# KiCad board HALTEST.kicad_pcb (continued)
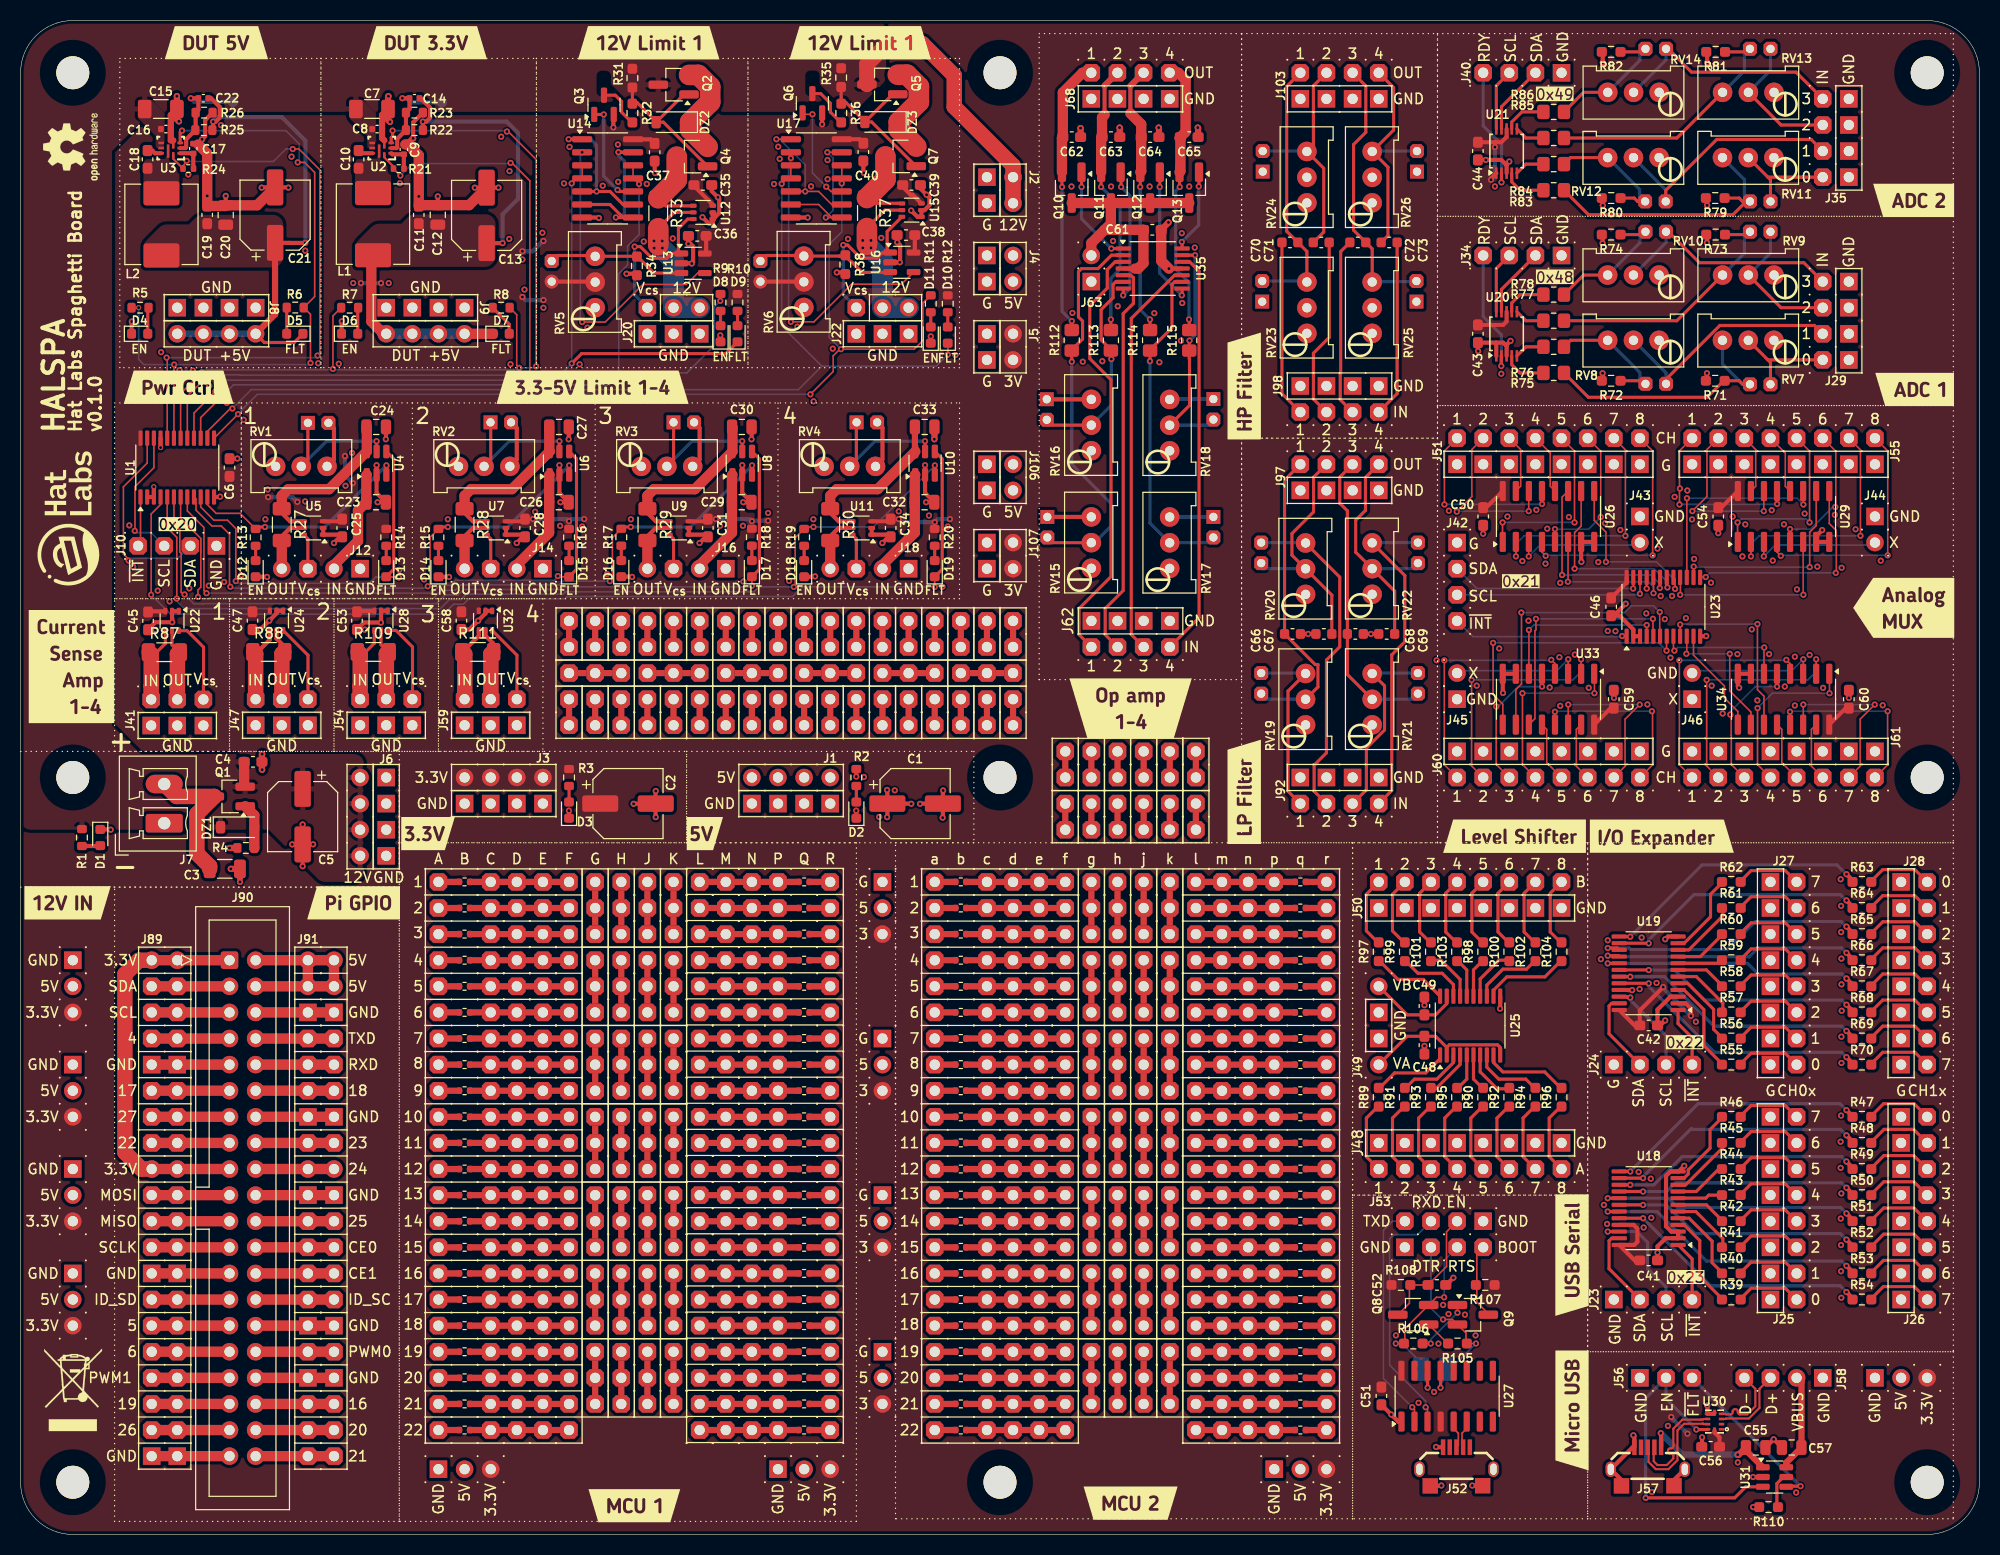
[diagram p0: board, top side]
## Nets (continued)
/Level Shifting/Ac2: J48.4 R91.1
/Level Shifting/Ac3: J48.6 R93.1
/Level Shifting/Ac4: J48.8 R95.1
/Level Shifting/Ac5: J48.10 R90.1
/Level Shifting/Ac6: J48.12 R92.1
/Level Shifting/Ac7: J48.14 R94.1
/Level Shifting/Ac8: J48.16 R96.1
/Level Shifting/B1: R97.1 U25.20
/Level Shifting/B2: R99.1 U25.18
/Level Shifting/B3: R101.1 U25.17
/Level Shifting/B4: R103.1 U25.16
/Level Shifting/B5: R98.1 U25.15
/Level Shifting/B6: R100.1 U25.14
/Level Shifting/B7: R102.1 U25.13
/Level Shifting/B8: R104.1 U25.12
/Level Shifting/Bc1: J50.2 R97.2
/Level Shifting/Bc2: J50.4 R99.2
/Level Shifting/Bc3: J50.6 R101.2
/Level Shifting/Bc4: J50.8 R103.2
/Level Shifting/Bc5: J50.10 R98.2
/Level Shifting/Bc6: J50.12 R100.2
/Level Shifting/Bc7: J50.14 R102.2
/Level Shifting/Bc8: J50.16 R104.2
/Opamp/I1-: J64.2 R112.1 RV15.2 U35.2
/Opamp/I2-: J65.2 R113.1 RV16.2 U35.6
/Opamp/I3-: J66.2 R114.1 RV17.2 U35.9
/Opamp/I4-: J67.2 R115.1 RV18.2 U35.13
/Opamp/IN1: J62.2 U35.3
/Opamp/IN2: J62.4 U35.5
/Opamp/IN3: J62.6 U35.10
/Opamp/IN4: J62.8 U35.12
/Opamp/O1: Q10.1 U35.1
/Opamp/O2: Q11.1 U35.7
/Opamp/O3: Q12.1 U35.8
/Opamp/O4: Q13.1 U35.14
/Opamp/OUT1: C62.2 J68.2 Q10.2 R112.2
/Opamp/OUT2: C63.2 J68.4 Q11.2 R113.2
/Opamp/OUT3: C64.2 J68.6 Q12.2 R114.2
/Opamp/OUT4: C65.2 J68.8 Q13.2 R115.2
/Raspberry Pi GPIO/GPIO0: J89.27 J90.27
/Raspberry Pi GPIO/GPIO1: J90.28 J91.28
/Raspberry Pi GPIO/GPIO2: J89.3 J90.3
/Raspberry Pi GPIO/GPIO3: J89.5 J90.5
/Raspberry Pi GPIO/GPIO4: J89.7 J90.7
/Raspberry Pi GPIO/GPIO5: J89.29 J90.29
/Raspberry Pi GPIO/GPIO6: J89.31 J90.31
/Raspberry Pi GPIO/GPIO7: J90.26 J91.26
/Raspberry Pi GPIO/GPIO8: J90.24 J91.24
/Raspberry Pi GPIO/GPIO9: J89.21 J90.21
/Raspberry Pi GPIO/GPIO10: J89.19 J90.19
/Raspberry Pi GPIO/GPIO11: J89.23 J90.23
/Raspberry Pi GPIO/GPIO12: J90.32 J91.32
/Raspberry Pi GPIO/GPIO13: J89.33 J90.33
/Raspberry Pi GPIO/GPIO14: J90.8 J91.8
/Raspberry Pi GPIO/GPIO15: J90.10 J91.10
/Raspberry Pi GPIO/GPIO16: J90.36 J91.36
/Raspberry Pi GPIO/GPIO17: J89.11 J90.11
/Raspberry Pi GPIO/GPIO18: J90.12 J91.12
/Raspberry Pi GPIO/GPIO19: J89.35 J90.35
/Raspberry Pi GPIO/GPIO20: J90.38 J91.38
/Raspberry Pi GPIO/GPIO21: J90.40 J91.40
/Raspberry Pi GPIO/GPIO22: J89.15 J90.15
/Raspberry Pi GPIO/GPIO23: J90.16 J91.16
/Raspberry Pi GPIO/GPIO24: J90.18 J91.18
/Raspberry Pi GPIO/GPIO25: J90.22 J91.22
/Raspberry Pi GPIO/GPIO26: J89.37 J90.37
/Raspberry Pi GPIO/GPIO27: J89.13 J90.13
/Raspberry Pi GPIO/RPI_3V3: J89.1 J89.17 J90.1 J90.17
/Raspberry Pi GPIO/RPI_5V: J90.2 J90.4 J91.2 J91.4
/USB connector/D+: J57.3 U30.8
/USB connector/D-: J57.2 U30.7
/USB connector/EN: J56.2 U30.9 U31.3
/USB connector/MHL+: J58.3 U30.3
/USB connector/MHL-: J58.4 U30.4
/USB connector/~{FAULT}: J56.3 U31.4
/USB serial interface/BOOT: J53.7 Q9.3 R107.2
/USB serial interface/DTR: JP1.1 U27.13
/USB serial interface/DTRb: Q8.1 R105.2
/USB serial interface/DTRsj: J53.3 JP1.2 Q9.2 R105.1
/USB serial interface/EN: C52.1 J53.6 Q8.3 R108.2
/USB serial interface/RTS: JP2.2 U27.14
/USB serial interface/RTSb: Q9.1 R106.2
/USB serial interface/RTSsj: J53.5 JP2.1 Q8.2 R106.1
/USB serial interface/RXD: J53.4 U27.3
/USB serial interface/TXD: J53.2 U27.2
/USB serial interface/USB_D+: J52.3 U27.5
/USB serial interface/USB_D-: J52.2 U27.6
Net-(D1-A): D1.2 R1.2
Net-(D2-A): D2.2 R2.2
Net-(D3-A): D3.2 R3.2
Net-(D4-A): D4.2 R5.2
Net-(D5-A): D5.2 R6.2
Net-(D6-A): D6.2 R7.2
Net-(D7-A): D7.2 R8.2
Net-(D8-A): D8.2 R9.2
Net-(D9-A): D9.2 R10.2
Net-(D10-A): D10.2 R11.2
Net-(D11-A): D11.2 R12.2
Net-(D12-A): D12.2 R13.2
Net-(D13-A): D13.2 R14.2
Net-(D14-A): D14.2 R15.2
Net-(D15-A): D15.2 R16.2
Net-(D16-A): D16.2 R17.2
Net-(D17-A): D17.2 R18.2
Net-(D18-A): D18.2 R19.2
Net-(D19-A): D19.2 R20.2
Net-(J69-Pin_1): J69.1 R116.1
Net-(J69-Pin_2): J69.2 R117.1
Net-(J69-Pin_3): J69.3 R118.1
Net-(J69-Pin_4): J69.4 R119.1
Net-(J69-Pin_5): J69.5 R120.1
Net-(J69-Pin_6): J69.6 R121.1
Net-(J69-Pin_7): J69.7 R122.1
Net-(J69-Pin_8): J69.8 R123.1
Net-(J69-Pin_9): J69.9 R124.1
Net-(J69-Pin_10): J69.10 R125.1
Net-(J69-Pin_11): J69.11 R126.1
Net-(J69-Pin_12): J69.12 R127.1
Net-(J69-Pin_13): J69.13 R128.1
Net-(J69-Pin_14): J69.14 R129.1
Net-(J69-Pin_15): J69.15 R130.1
Net-(J69-Pin_16): J69.16 R131.1
Net-(J69-Pin_17): J69.17 R132.1
Net-(J69-Pin_18): J69.18 R133.1
Net-(J69-Pin_19): J69.19 R134.1
Net-(J69-Pin_20): J69.20 R135.1
Net-(J69-Pin_21): J69.21 R136.1
Net-(J69-Pin_22): J69.22 R137.1
Net-(J70-Pin_1): J70.1 J71.1 J72.1 J73.1 R116.2
Net-(J70-Pin_2): J70.2 J71.2 J72.2 J73.2 R117.2
Net-(J70-Pin_3): J70.3 J71.3 J72.3 J73.3 R118.2
Net-(J70-Pin_4): J70.4 J71.4 J72.4 J73.4 R119.2
Net-(J70-Pin_5): J70.5 J71.5 J72.5 J73.5 R120.2
Net-(J70-Pin_6): J70.6 J71.6 J72.6 J73.6 R121.2
Net-(J70-Pin_7): J70.7 J71.7 J72.7 J73.7 R122.2
Net-(J70-Pin_8): J70.8 J71.8 J72.8 J73.8 R123.2
Net-(J70-Pin_9): J70.9 J71.9 J72.9 J73.9 R124.2
Net-(J70-Pin_10): J70.10 J71.10 J72.10 J73.10 R125.2
Net-(J70-Pin_11): J70.11 J71.11 J72.11 J73.11 R126.2
Net-(J70-Pin_12): J70.12 J71.12 J72.12 J73.12 R127.2
Net-(J70-Pin_13): J70.13 J71.13 J72.13 J73.13 R128.2
Net-(J70-Pin_14): J70.14 J71.14 J72.14 J73.14 R129.2
Net-(J70-Pin_15): J70.15 J71.15 J72.15 J73.15 R130.2
Net-(J70-Pin_16): J70.16 J71.16 J72.16 J73.16 R131.2
Net-(J70-Pin_17): J70.17 J71.17 J72.17 J73.17 R132.2
Net-(J70-Pin_18): J70.18 J71.18 J72.18 J73.18 R133.2
Net-(J70-Pin_19): J70.19 J71.19 J72.19 J73.19 R134.2
Net-(J70-Pin_20): J70.20 J71.20 J72.20 J73.20 R135.2
Net-(J70-Pin_21): J70.21 J71.21 J72.21 J73.21 R136.2
Net-(J70-Pin_22): J70.22 J71.22 J72.22 J73.22 R137.2
Net-(J74-Pin_1): J74.1 J75.1 J76.1 J77.1 R138.2
Net-(J74-Pin_2): J74.2 J75.2 J76.2 J77.2 R139.2
Net-(J74-Pin_3): J74.3 J75.3 J76.3 J77.3 R140.2
Net-(J74-Pin_4): J74.4 J75.4 J76.4 J77.4 R141.2
Net-(J74-Pin_5): J74.5 J75.5 J76.5 J77.5 R142.2
Net-(J74-Pin_6): J74.6 J75.6 J76.6 J77.6 R143.2
Net-(J74-Pin_7): J74.7 J75.7 J76.7 J77.7 R144.2
Net-(J74-Pin_8): J74.8 J75.8 J76.8 J77.8 R145.2
Net-(J74-Pin_9): J74.9 J75.9 J76.9 J77.9 R146.2
Net-(J74-Pin_10): J74.10 J75.10 J76.10 J77.10 R147.2
Net-(J74-Pin_11): J74.11 J75.11 J76.11 J77.11 R148.2
Net-(J74-Pin_12): J74.12 J75.12 J76.12 J77.12 R149.2
Net-(J74-Pin_13): J74.13 J75.13 J76.13 J77.13 R150.2
Net-(J74-Pin_14): J74.14 J75.14 J76.14 J77.14 R151.2
Net-(J74-Pin_15): J74.15 J75.15 J76.15 J77.15 R152.2
Net-(J74-Pin_16): J74.16 J75.16 J76.16 J77.16 R153.2
Net-(J74-Pin_17): J74.17 J75.17 J76.17 J77.17 R154.2
Net-(J74-Pin_18): J74.18 J75.18 J76.18 J77.18 R155.2
Net-(J74-Pin_19): J74.19 J75.19 J76.19 J77.19 R156.2
Net-(J74-Pin_20): J74.20 J75.20 J76.20 J77.20 R157.2
Net-(J74-Pin_21): J74.21 J75.21 J76.21 J77.21 R158.2
Net-(J74-Pin_22): J74.22 J75.22 J76.22 J77.22 R159.2
Net-(J78-Pin_1): J78.1 R138.1
Net-(J78-Pin_2): J78.2 R139.1
Net-(J78-Pin_3): J78.3 R140.1
Net-(J78-Pin_4): J78.4 R141.1
Net-(J78-Pin_5): J78.5 R142.1
Net-(J78-Pin_6): J78.6 R143.1
Net-(J78-Pin_7): J78.7 R144.1
Net-(J78-Pin_8): J78.8 R145.1
Net-(J78-Pin_9): J78.9 R146.1
Net-(J78-Pin_10): J78.10 R147.1
Net-(J78-Pin_11): J78.11 R148.1
Net-(J78-Pin_12): J78.12 R149.1
Net-(J78-Pin_13): J78.13 R150.1
Net-(J78-Pin_14): J78.14 R151.1
Net-(J78-Pin_15): J78.15 R152.1
Net-(J78-Pin_16): J78.16 R153.1
Net-(J78-Pin_17): J78.17 R154.1
Net-(J78-Pin_18): J78.18 R155.1
Net-(J78-Pin_19): J78.19 R156.1
Net-(J78-Pin_20): J78.20 R157.1
Net-(J78-Pin_21): J78.21 R158.1
Net-(J78-Pin_22): J78.22 R159.1
Net-(J79-Pin_1): J79.1 R160.1
Net-(J79-Pin_2): J79.2 R161.1
Net-(J79-Pin_3): J79.3 R162.1
Net-(J79-Pin_4): J79.4 R163.1
Net-(J79-Pin_5): J79.5 R164.1
Net-(J79-Pin_6): J79.6 R165.1
Net-(J79-Pin_7): J79.7 R166.1
Net-(J79-Pin_8): J79.8 R167.1
Net-(J79-Pin_9): J79.9 R168.1
Net-(J79-Pin_10): J79.10 R169.1
Net-(J79-Pin_11): J79.11 R170.1
Net-(J79-Pin_12): J79.12 R171.1
Net-(J79-Pin_13): J79.13 R172.1
Net-(J79-Pin_14): J79.14 R173.1
Net-(J79-Pin_15): J79.15 R174.1
Net-(J79-Pin_16): J79.16 R175.1
Net-(J79-Pin_17): J79.17 R176.1
Net-(J79-Pin_18): J79.18 R177.1
Net-(J79-Pin_19): J79.19 R178.1
Net-(J79-Pin_20): J79.20 R179.1
Net-(J79-Pin_21): J79.21 R180.1
Net-(J79-Pin_22): J79.22 R181.1
Net-(J80-Pin_1): J80.1 J81.1 J82.1 J83.1 R160.2
Net-(J80-Pin_2): J80.2 J81.2 J82.2 J83.2 R161.2
Net-(J80-Pin_3): J80.3 J81.3 J82.3 J83.3 R162.2
Net-(J80-Pin_4): J80.4 J81.4 J82.4 J83.4 R163.2
Net-(J80-Pin_5): J80.5 J81.5 J82.5 J83.5 R164.2
Net-(J80-Pin_6): J80.6 J81.6 J82.6 J83.6 R165.2
Net-(J80-Pin_7): J80.7 J81.7 J82.7 J83.7 R166.2
Net-(J80-Pin_8): J80.8 J81.8 J82.8 J83.8 R167.2
Net-(J80-Pin_9): J80.9 J81.9 J82.9 J83.9 R168.2
Net-(J80-Pin_10): J80.10 J81.10 J82.10 J83.10 R169.2
Net-(J80-Pin_11): J80.11 J81.11 J82.11 J83.11 R170.2
Net-(J80-Pin_12): J80.12 J81.12 J82.12 J83.12 R171.2
Net-(J80-Pin_13): J80.13 J81.13 J82.13 J83.13 R172.2
Net-(J80-Pin_14): J80.14 J81.14 J82.14 J83.14 R173.2
Net-(J80-Pin_15): J80.15 J81.15 J82.15 J83.15 R174.2
Net-(J80-Pin_16): J80.16 J81.16 J82.16 J83.16 R175.2
Net-(J80-Pin_17): J80.17 J81.17 J82.17 J83.17 R176.2
Net-(J80-Pin_18): J80.18 J81.18 J82.18 J83.18 R177.2
Net-(J80-Pin_19): J80.19 J81.19 J82.19 J83.19 R178.2
Net-(J80-Pin_20): J80.20 J81.20 J82.20 J83.20 R179.2
Net-(J80-Pin_21): J80.21 J81.21 J82.21 J83.21 R180.2
Net-(J80-Pin_22): J80.22 J81.22 J82.22 J83.22 R181.2
Net-(J84-Pin_1): J84.1 J85.1 J86.1 J87.1 R182.2
Net-(J84-Pin_2): J84.2 J85.2 J86.2 J87.2 R183.2
Net-(J84-Pin_3): J84.3 J85.3 J86.3 J87.3 R184.2
Net-(J84-Pin_4): J84.4 J85.4 J86.4 J87.4 R185.2
Net-(J84-Pin_5): J84.5 J85.5 J86.5 J87.5 R186.2
Net-(J84-Pin_6): J84.6 J85.6 J86.6 J87.6 R187.2
Net-(J84-Pin_7): J84.7 J85.7 J86.7 J87.7 R188.2
Net-(J84-Pin_8): J84.8 J85.8 J86.8 J87.8 R189.2
Net-(J84-Pin_9): J84.9 J85.9 J86.9 J87.9 R190.2
Net-(J84-Pin_10): J84.10 J85.10 J86.10 J87.10 R191.2
Net-(J84-Pin_11): J84.11 J85.11 J86.11 J87.11 R192.2
Net-(J84-Pin_12): J84.12 J85.12 J86.12 J87.12 R193.2
Net-(J84-Pin_13): J84.13 J85.13 J86.13 J87.13 R194.2
Net-(J84-Pin_14): J84.14 J85.14 J86.14 J87.14 R195.2
Net-(J84-Pin_15): J84.15 J85.15 J86.15 J87.15 R196.2
Net-(J84-Pin_16): J84.16 J85.16 J86.16 J87.16 R197.2
Net-(J84-Pin_17): J84.17 J85.17 J86.17 J87.17 R198.2
Net-(J84-Pin_18): J84.18 J85.18 J86.18 J87.18 R199.2
Net-(J84-Pin_19): J84.19 J85.19 J86.19 J87.19 R200.2
Net-(J84-Pin_20): J84.20 J85.20 J86.20 J87.20 R201.2
Net-(J84-Pin_21): J84.21 J85.21 J86.21 J87.21 R202.2
Net-(J84-Pin_22): J84.22 J85.22 J86.22 J87.22 R203.2
Net-(J88-Pin_1): J88.1 R182.1
Net-(J88-Pin_2): J88.2 R183.1
Net-(J88-Pin_3): J88.3 R184.1
Net-(J88-Pin_4): J88.4 R185.1
Net-(J88-Pin_5): J88.5 R186.1
Net-(J88-Pin_6): J88.6 R187.1
Net-(J88-Pin_7): J88.7 R188.1
Net-(J88-Pin_8): J88.8 R189.1
Net-(J88-Pin_9): J88.9 R190.1
Net-(J88-Pin_10): J88.10 R191.1
Net-(J88-Pin_11): J88.11 R192.1
Net-(J88-Pin_12): J88.12 R193.1
Net-(J88-Pin_13): J88.13 R194.1
Net-(J88-Pin_14): J88.14 R195.1
Net-(J88-Pin_15): J88.15 R196.1
Net-(J88-Pin_16): J88.16 R197.1
Net-(J88-Pin_17): J88.17 R198.1
Net-(J88-Pin_18): J88.18 R199.1
Net-(J88-Pin_19): J88.19 R200.1
Net-(J88-Pin_20): J88.20 R201.1
Net-(J88-Pin_21): J88.21 R202.1
Net-(J88-Pin_22): J88.22 R203.1
Net-(U31-ILIM): R110.1 U31.5

Pads without a net: J52 1 4; J57 4; REF**#2 1; REF**#3 1; REF**#4 1; REF**#5 1; REF**#6 1; REF**#7 1; REF**#8 1; REF**#11 1; REF**#13 1; REF**#14 1; REF**#15 1; REF**#16 1; REF**#17 1; REF**#18 1; REF**#19 1; REF**#20 1; REF**#21 1; REF**#22 1; REF**#23 1; REF**#25 1; REF**#26 1; REF**#27 1; REF**#28 1; REF**#29 1; REF**#30 1; REF**#31 1; REF**#32 1; REF**#33 1; REF**#34 1; REF**#35 1; REF**#36 1; REF**#37 1; REF**#38 1; REF**#39 1; REF**#40 1; REF**#41 1; REF**#42 1; REF**#43 1; REF**#44 1; REF**#45 1; REF**#46 1; REF**#47 1; REF**#48 1; REF**#49 1; REF**#50 1; REF**#52 1; REF**#53 1; REF**#54 1; REF**#55 1; REF**#56 1; REF**#57 1; REF**#58 1; REF**#59 1; REF**#60 1; REF**#61 1; REF**#62 1; REF**#63 1; REF**#64 1; REF**#65 1; REF**#66 1; REF**#67 1; REF**#68 1; REF**#69 1; REF**#70 1; REF**#71 1; REF**#72 1; REF**#73 1; REF**#74 1; REF**#75 1; REF**#76 1; REF**#77 1; REF**#79 1; REF**#80 1; REF**#81 1; REF**#83 1; REF**#84 1; REF**#87 1; REF**#88 1; REF**#89 1; REF**#90 1; REF**#92 1; REF**#93 1; REF**#94 1; REF**#95 1; REF**#96 1; REF**#97 1; REF**#98 1; REF**#99 1; REF**#100 1; REF**#101 1; REF**#102 1; REF**#103 1; REF**#104 1; REF**#105 1; REF**#106 1; REF**#108 1; REF**#109 1; REF**#110 1; REF**#111 1; REF**#112 1; REF**#113 1; REF**#114 1; REF**#115 1; REF**#116 1; REF**#117 1; REF**#118 1; REF**#119 1; REF**#121 1; REF**#123 1; REF**#124 1; RV1 1; RV2 1; RV3 1; RV4 1; RV5 1; RV6 1; RV7 1; RV8 1; RV9 1; RV10 1; RV11 1; RV12 1; RV13 1; RV14 1; RV15 1; RV16 1; RV17 1; RV18 1; RV19 1; RV20 1; RV21 1; RV22 1; RV23 1; RV24 1; RV25 1; RV26 1; U27 7 8 9 10 11 12 15; U30 1 2

## Via types
v1: diameter 0.6, hole 0.3, Top to Bottom, 606 vias
v2: diameter 0.5, hole 0.3, Top to Bottom, 3 vias

## Routing (per net, layer and track width the routed paths; a pad name or vN(x,y) marks a point on that pad's centre or on a via; arc(x,y) is an arc through that point)
+3.3V: length 112.9
  Top w0.15: U23.21 v1(158.14,92.05)
  Top w0.4: 143.38,135.48 v1(143.38,135) ; 143.38,135.48 144.01,135.48 144.52,135.99 U21.8 ; 143.38,135.48 C44.1 ; U14.14 59.58,135.76 61.27,135.76 C37.1 ; U18.21 156.88,30.12 157.23,29.77 157.23,28.47 156.94,28.18 U18.24 156.97,26.67 C41.1 ; C50.1 142.53,99.92 144.15,101.54 ; U16.5 86.97,124.86 C38.1 ; RV6.2 76.14,121.92 J21.1 ; 167,101.54 165.39,99.92 C54.1 ; v1(162.44,50.47) 162.44,51.17 161.93,51.69 U19.2 ; C36.1 66.67,124.78 U13.5 ; 32.68,89.77 32.77,89.85 34.39,89.85 34.4,89.86 ; v1(159.75,53.27) 157.47,50.99 C42.1 156.97,49.53 U19.24 ; U21.1 143,131.95 v1(143,131.83) ; U7.3 48.85,98.59 C28.1 ; RV5.2 55.83,121.92 J19.1 ; C46.1 156.19,92.64 U23.24 ; C43.1 144.18,117.7 144.52,118.04 U20.8 ; C40.1 81.58,135.77 U17.14 ; C25.1 31.07,98.59 U5.3 ; C31.1 66.63,98.59 U9.3 ; U11.3 84.41,98.59 C34.1 ; C35.1 65.49,131.23 67.31,129.41 U12.3 ; U30.10 164.74,9.93 165.22,9.44 C56.2 ; C59.1 154.65,80.42 U33.16 ; U15.3 86.76,130.37 86.56,130.37 85.78,131.14 C39.1 ; C60.1 177.51,80.42 175.9,78.81 ; 14.08,89.84 14.07,89.83 12.45,89.83 12.36,89.74
  Bottom w0.4: v1(90.37,98.81) 89.2,98.81 v1(88.9,98.5) 85.7,98.5 v1(85.39,98.81) ; v1(162.44,50.47) 159.75,53.16 v1(159.75,53.27) ; v1(50.85,120.12) 49.1,120.12 v1(48.8,120.42) ; v1(35.05,121.77) v1(33.1,121.77) ; v1(49.83,98.81) 53.14,98.81 v1(53.34,98.6) 53.54,98.81 v1(54.81,98.81) ; v1(67.61,98.81) 70.92,98.81 v1(71.12,98.6) 71.17,98.65 v1(72.69,98.65) ; v1(162.1,9.8) 160.53,11.38 v1(160.53,11.43) ; v1(143,131.83) 143.38,132.21 v1(143.38,135) ; v1(26.92,100.48) 26.47,100.94 v1(24.08,100.94) ; v1(50.85,125.87) 50.8,125.87 49.8,124.87 v1(48.8,124.87) ; v1(32.31,102.31) 31.55,103.07 v1(31.55,104.95)
+3.3VD: length 45.5
  Top w0.4: C13.1 v1(46.88,125.66) ; R22.1 39.13,137.48 v1(39.12,137.49) 39.44,137.49 39.83,137.87 39.83,138.85 38.92,139.76 C14.1
  Top w1: D7.1 J9.2 ; J9.8 35.31,116.84 34.11,118.04 34.11,124.32 L1.2
  Bottom w0.4: v1(46.88,125.66) 46.88,128.46 48.38,129.96 48.38,136.38 47.27,137.49 v1(39.12,137.49)
  Bottom w1: J9.2 J9.8
+5V: length 5.7
  Top w0.4: v1(84.27,69.8) 84.3,69.83 C1.1 ; C1.1 86.6,71.12 v1(86.62,71.1) ; C1.1 84.3,72.43 v1(84.27,72.45) ; R2.1 81.28,73.76 v1(81.27,73.75)
+5VD: length 49.7
  Top w0.3: D5.1 26.61,115.99 23.71,115.99 J8.2
  Top w0.4: C22.1 18.53,139.76 19.38,138.91 19.38,137.87 18.99,137.49 v1(18.73,137.49) 18.73,136.74 R25.1 ; C21.1 26.12,125.69 26.13,125.68 v1(27.69,125.68)
  Top w0.6: J8.2 24.75,118.73 C21.1
  Bottom w0.4: v1(27.69,125.68) 27.7,125.69 27.7,135.62 25.4,137.92 19.16,137.92 v1(18.73,137.49)
  Bottom w0.6: J8.2 J8.8
+12V: length 29.6
  Top w1: C4.1 21.74,72.97
  Top w1.5: Q5.3 82.31,143.08 84.3,145.07 87.7,145.07 90.8,141.97 90.8,138.92 96.52,133.2 J2.2 J2.4
/Current Sense/INA199 1/V1: length 8.1
  Top w0.3: U22.6 16.19,87.95 17.8,86.35 17.8,82.57 17.78,82.55 17.78,81.28
/Current Sense/INA199 2/V1: length 7.7
  Top w0.3: U24.6 27.95,85.56 27.95,81.32 27.94,81.3
/Current Sense/INA199 3/V1: length 8.1
  Top w0.3: 38.1,81.3 38.12,81.32 38.12,86.37 36.51,87.97 U28.6
/Current Sense/INA199 4/V1: length 7.7
  Top w0.3: 48.26,81.3 48.28,81.32 48.28,85.56 U32.6
/DUT Power/Buck 3.3V/VCC: length 2.7
  Top w0.4: U2.1 36.15,134.3 C9.1 37.27,133.12 37.28,133.11 R21.2
/DUT Power/Buck 5V/VCC: length 2.8
  Top w0.4: U3.1 16.77,134.41 C17.1 16.8,132.93 R24.2
/DUT Power/Curlim 1/Vin: length 10.5
  Top w1: J12.2 30.48,94.34 32.82,96.68 32.82,99.64 C23.1 33.62,103.06 U4.1
/DUT Power/Curlim 2/Vin: length 10.5
  Top w1: U6.1 51.4,103.06 C26.1 51.4,97.48 48.26,94.34 J14.2
/DUT Power/Curlim 3/Vin: length 10.5
  Top w1: U8.1 69.18,103.06 C29.1 69.18,97.48 66.04,94.34 J16.2
/DUT Power/Curlim 4/Vin: length 10.5
  Top w1: J18.2 83.82,94.34 86.96,97.48 C32.1 86.96,103.06 U10.1
/DUT Power/Curlim 12V 1/+12Vs: length 8.5
  Top w0.3: 62.02,130.03 62.76,129.29 65.3,129.29 65.32,129.3 U12.4
  Top w2: 62.02,130.03 63.81,131.83 Q4.3
/DUT Power/Curlim 12V 2/+12Vs: length 8.4
  Top w0.3: U15.4 85.31,129.52 85.29,129.54 83.05,129.54 82.54,130.05 82.31,130.05
  Top w2: 82.31,130.05 84.11,131.85 Q7.3
/DUT Power/Vin: length 13.6
  Top w1.5: J7.2 15.18,71.82 Q1.3 17.14,70.12 17.14,66.27 18.39,65.02 C3.1
/Level Shifting/VCCA: length 15.4
  Top w0.3: U25.2 138.69,47.39 ; 138.69,47.39 137.61,48.48 C48.2 ; 138.69,47.39 138.95,47.65 143.64,47.65 143.9,47.39 U25.10 ; 136.31,48.26 C48.2 ; C48.2 134.84,48.48 J49.1
/Level Shifting/VCCB: length 9.3
  Top w0.3: C49.1 134.86,50.56 J49.4 ; C49.1 137.61,50.56 138.69,51.65 U25.19 ; C49.1 136.29,50.8
/Opamp/VCC: length 26.5
  Top w0.4: 108.38,123.18 108.37,123.19 U35.4
  Top w1: 108.38,123.18 108.68,123.18 109.2,123.71 C61.2 105.42,126.96 ; 105.42,126.96 106.03,127.57 Q11.3 ; 105.42,126.96 104.13,125.66 J63.2 ; Q13.3 Q10.3
/USB connector/VBUS: length 13.4
  Top w0.4: v1(159.51,9.86) 159.54,9.83 J57.1
  Top w0.6: v1(166.99,7.76) 167.09,7.76 C55.1 167.79,8.19 U31.1
  Bottom w0.6: v1(166.99,7.76) 166.98,7.77 161.59,7.77 v1(159.51,9.86)
/USB connector/VBUSOUT: length 9.5
  Top w0.6: U31.6 171.72,6.99 C57.1 173.19,14.77 J58.2
GND: length 370.1
  Top w0.15: 151.76,94.67 v1(151.79,94.64)
  Top w0.3: C50.2 v1(142.24,97.38) ; C54.2 v1(165.1,97.43)
  Top w0.4: C58.1 43.64,88.06 v1(44.5,88.92) 45.21,89.63 U32.2 U32.1 ; v1(26.05,131.06) 26.02,131.09 C21.2 23.48,131.09 v1(23.45,131.06) ; D10.1 v1(88.52,116.59) ; D4.1 10.79,118.01 v1(10.82,118.03) ; C27.2 53.31,106.59 v1(53.3,106.57) ; v1(159.94,50.02) 159.45,49.53 C42.2 159.19,51.07 160.46,52.34 U19.3 ; C53.1 33.46,88.06 v1(33.47,88.05) ; C57.2 v1(170.49,9.26) C55.2 ; RV16.3 99.81,110.46 J65.1 ; v1(138.17,4.76) 138.14,4.73 J52.6 ; J52.6 141.19,4.74 v1(141.17,4.76) ; 163.98,130.05 163.98,129.37 v1(164.02,129.33) ; 12.36,88.02 13.11,88.77 v1(14.75,88.77) 14.75,89.13 14.73,89.15 14.73,89.84 15.38,89.84 ; C1.2 87.49,71.12 v1(87.47,71.1) ; C1.2 89.69,72.38 v1(89.72,72.4) ; C1.2 89.69,69.78 v1(89.67,69.75) ; 168.28,83.76 U34.8 167,82.52 v1(167.13,82.4) ; U23.12 163.91,87.41 v1(163.93,87.43) ; D12.1 23.96,93.19 v1(23.97,93.18) ; C66.2 v1(125.22,87.63) C67.2 ; v1(52.5,100.45) C26.2 52.4,101.35 U6.2 v1(52.4,104.05) ; C59.2 154.94,81.42 v1(154.96,81.41) ; U35.11 111.74,123.19 111.73,123.18 v1(111.68,123.18) ; v2(12.95,101.96) 12.96,101.94 12.96,100.96 U1.2 ; C5.2 v1(27.43,69.09) ; C5.2 v1(26.42,67.15) ; C5.2 27.7,67.15 27.71,67.16 v1(28.45,67.16) ; C5.2 v1(27.43,65.02) ; U25.11 143.9,51.19 v1(143.88,51.17) ; v1(41.67,93.18) 41.66,93.19 D14.1 ; J11.2 30.48,107.63 30.48,104.61 RV1.3 ; RV4.3 83.82,104.61 83.82,107.7 J17.2 ; v1(137.65,8.52) 137.68,8.49 J52.5 ; v1(88.06,100.45) C32.2 87.96,101.35 U10.2 v1(87.96,104.05) ; C12.2 v1(40.57,130.21) ; U19.12 160.21,58.19 v1(159.94,57.92) ; 163.98,112.27 163.98,112.98 v1(164,113) ; 169.16,2.66 v1(168.49,2.66) ; v1(153.85,113) 153.86,112.99 153.86,112.27 ; v1(175.21,97.74) 174.62,97.16 U29.7 175.9,96.59 ; v1(59.47,93.18) 59.45,93.2 D16.1 ; C56.1 163.53,8.56 v1(163.53,9.45) ; v1(21.08,104.7) 21.07,104.68 C6.2 ; v1(31.24,118.06) 31.22,118.03 D6.1 ; C19.2 v1(18.15,130.26) ; v1(46.47,131.06) C13.2 v1(44.17,131.06) ; v1(144.17,81.89) 144.15,81.92 U33.8 U33.7 ; 153.86,130.05 153.86,129.34 v1(153.87,129.33) ; 143.5,115.98 C43.2 141.72,115.18 v1(141.75,115.15) ; 143.5,115.98 144.18,115.98 144.52,115.64 ; 143.5,115.98 143.52,115.96 U20.1 ; v1(38.17,135.86) 38.18,135.87 38.18,137.41 R23.2 ; C68.2 v1(131.32,87.63) C69.2 ; C45.1 13.11,88.04 v1(13.12,88.03) ; 151.76,94.67 151.76,96.59 U26.8 ; U16.2 v1(85.5,123.79) 85.53,123.83 85.53,125.46 v1(85.25,125.74) 85.24,125.76 C38.2 ; v1(57.65,136.92) 57.65,138.17 57.66,138.18 ; C20.2 v1(19.95,130.26) ; U9.2 U9.1 66.63,97.29 C31.2 66.63,97.08 v1(66.03,96.48) ; U20.3 144.52,115.64 ; 144.52,115.64 144.52,115.77 v1(144.9,116.15) ; C52.2 138.64,24.28 v1(139.34,24.98) ; C60.2 v1(177.8,81.41) ; v1(77.27,93.23) 77.23,93.19 D18.1 ; U11.2 U11.1 84.41,97.29 C34.2 84.41,97.08 v1(83.81,96.48) ; C44.2 v1(142.49,133.76) 144.01,133.76 144.52,133.25 ; 7.75,68.61 8.74,68.61 v1(8.76,68.58) ; v1(156.73,52.97) 156.34,52.97 156.32,52.99 U19.21 ; v1(34.72,100.45) C23.2 34.62,101.35 U4.2 v1(34.62,104.05) ; J57.6 160.79,5.29 J57.6 ; C41.2 v1(159.19,27.43) 159.19,28.03 159.99,28.83 161.19,28.83 U18.3 160.54,29.48 160.02,29.99 160.02,34.89 160.46,35.33 161.25,35.33 v1(161.79,35.87) ; v1(58.93,122.68) 59.88,122.68 59.94,122.62 ; 47.58,103.94 48.26,104.61 48.26,107.66 J13.2 ; 153.86,126.49 153.86,125.66 v1(153.85,125.65) ; v1(66.31,128.18) 66.93,127.57 67.14,127.57 67.31,127.75 U12.1 U12.2 67.31,128.4 67.49,128.22 67.56,128.22 67.94,128.6 67.94,129.99 v1(67.81,130.12) 67.22,130.72 67.22,131.32 ; C39.2 87.51,130.97 v1(88.11,130.37) 88.39,130.08 88.39,129.35 87.92,128.87 U15.2 U15.1 87.22,128.22 v1(86.61,128.83) ; C36.2 v1(64.95,125.6) 65.15,125.6 65.41,125.35 65.41,123.81 v1(65.27,123.68) 65.25,123.7 U13.2 ; 32.68,88.04 33.38,88.74 v1(35.05,88.74) 35.05,89.17 35.05,89.86 35.7,89.86 ; v1(164.03,12.55) 164.06,12.52 U30.6 164.63,11.73 U30.5 ; v1(59.62,71.1) 59.64,71.12 61.75,71.12 ; J15.2 66.04,107.68 66.04,104.61 RV3.3 ; v1(61.77,69.8) 61.75,69.82 61.75,71.12 ; v1(61.72,132.48) 61.67,132.53 C37.2 ; v1(70.18,104.05) U8.2 70.18,101.35 C29.2 v1(70.28,100.45) ; v1(81.27,70.44) 81.28,70.42 D2.1 ; C17.2 17.23,135.34 v1(17.65,135.76) 17.95,136.06 17.95,137.63 R26.2 ; v1(136.53,51.5) 136.53,51.51 C49.2 ; U14.7 56.2,128.15 v1(56.24,128.11) ; D3.1 53.33,69.71 v1(53.33,70.44) ; v1(144.78,133.6) 144.52,133.34 144.52,133.25 ; v1(19.41,100.99) 19.37,100.96 U1.12 ; U1.21 13.61,105.77 v2(13.61,105.77) ; 61.75,71.12 61.75,72.34 v1(61.77,72.35) ; v1(156.84,9.65) 156.94,9.56 J57.5 156.78,8.48 J57.6 155.69,5.29 J57.6 ; C48.1 136.53,47.54 v1(136.53,47.54) ; U23.3 U23.2 156.84,88.07 155.5,89.41 C46.2 154.94,89.41 v1(156.1,90.57) ; 164.02,126.49 164.02,125.72 v1(164,125.7) ; RV15.3 J64.1 ; v1(71.08,106.57) 71.09,106.59 C30.2 ; C40.2 81.96,132.55 v1(82.01,132.5) ; D8.1 68.07,116.66 v1(68.05,116.69) ; 153.86,144.27 153.86,143.24 v1(153.87,143.23) ; 77.96,138.2 77.95,138.19 v1(77.95,137.22) ; 144.52,133.25 U21.3 ; 88.88,106.59 v1(88.86,106.57) ; C47.1 23.32,88.06 v1(23.34,88.08) v1(24.19,88.93) 24.89,89.63 U24.2 U24.1 ; v1(30.47,96.48) 31.07,97.08 C25.2 31.07,97.29 U5.1 U5.2 ; 164.02,144.27 v1(164.02,143.23) ; v1(168.49,5.59) U31.2 ; U7.2 U7.1 48.85,97.29 C28.2 48.85,97.08 v1(48.25,96.48) ; v1(76.55,128.15) U17.7 ; v1(79.38,122.81) 80.15,122.81 80.21,122.75 ; v1(35.52,106.57) 35.53,106.59 C24.2 ; U27.1 133.99,10.98 v1(133.3,11.67) 132.35,12.62 C51.2 ; C11.2 v1(38.73,130.21)
  Top w0.6: C7.2 35.16,138.13 35.16,135.88 35.37,135.66 ; C7.2 35.74,137.65 v1(35.92,137.46) ; C7.2 35.74,139.92 v1(35.77,139.96) ; v1(23.49,74.42) 23.47,74.45 C4.2 23.47,75.92 v1(23.49,75.95) ; C33.2 88.88,106.59 ; C15.2 14.61,138.12 C16.2 14.61,135.66 14.85,135.66 ; C15.2 v1(15.2,139.96) ; C15.2 15.2,137.71 v1(15.4,137.51) ; v1(110.68,136.9) 110.71,136.88 C64.1 ; v1(103.08,136.85) 103.09,136.85 C62.1 ; v1(38.17,135.86) 37.58,135.26 C9.2 ; C65.1 114.52,136.87 v1(114.48,136.9) ; 21.34,63.88 C3.2 v1(20.45,64.77) ; v1(111.63,127.68) 111.63,127.66 C61.1 ; v1(106.88,136.9) 106.9,136.89 C63.1 ; R4.2 v1(20.32,66.8)
  Top w1: J90.25 J89.25 ; J90.14 J91.14 ; C21.2 23.01,129.35 C20.2 19.88,129.27 C19.2 18.15,134.39 17.28,135.26 ; J90.20 J91.20 ; J90.39 J89.39 ; v1(111.68,123.18) 110.93,123.93 C61.1 ; 37.43,135.26 37.68,135.26 38.73,134.22 C11.2 38.81,129.36 C12.2 43.62,129.36 C13.2 ; J90.30 J91.30 ; J90.6 J91.6 ; J90.34 J91.34 ; J90.9 J89.9
  Bottom w0.4: J66.1 115.96,99.06 115.57,99.06 115.52,99.01 RV17.3 ; RV18.3 111.79,110.49 J67.1
  vias: v1(10.57,98.2) v1(10.95,94.17) v1(13.33,91.84) v1(13.67,115.05) v1(14.49,90.8) v1(15.46,113.31) v1(16.31,132.34) v1(16.41,92.06) v1(16.75,113.27) v1(18.35,111.77) v1(18.31,92.33) v1(19.49,137.14) v1(19.8,92.69) v1(20.05,110.12) v1(21.34,63.5) v1(21.45,93.34) v1(21.7,108.47) v1(23.81,98.79) v1(24.03,101.69) v1(26.35,134.08) v1(27.69,124.93) v1(27.67,100.52) v1(28.95,113.97) v1(30.95,113.92) v1(31.61,102.05) v1(32.24,105.25) v1(32.35,121.77) v1(35.8,121.77) v1(36.83,93.87) v1(36.89,131.48) v1(39.24,92.93) v1(41.55,98.79) v1(46.74,136.02) v1(47.55,132.67) v1(47.53,126.07) v1(47.64,113.88) v1(48.8,124.07) v1(49,121.14) v1(50.05,99.53) v1(50.28,112.88) v1(50.75,126.67) v1(50.85,119.37) v1(52.47,98.16) v1(52.84,131.47) v1(53.38,135.02) v1(54.37,113.87) v1(54.62,98.08) v1(55.13,117.43) v1(56.61,131.25) v1(57.03,93.46) v1(58.09,135.26) v1(58.11,131.63) v1(59.35,98.79) v1(60.61,125.82) v1(60.9,131.42) v1(63.43,126.12) v1(68.01,98.16) v1(70.25,98.16) v1(70.3,92.73) v1(72.7,99.4) v1(73.27,131.42) v1(73.68,135.04) v1(73.82,133.87) v1(74.74,92.8) v1(75.55,117.53) v1(76.87,131.18) v1(77.12,110.27) v1(77.1,98.79) v1(78.48,133.74) v1(78.48,131.89) v1(78.99,115.39) v1(80.47,126.08) v1(82.02,73.71) v1(83.5,69.82) v1(83.71,126.17) v1(85.02,72.41) v1(85.4,99.56) v1(88.34,99.15) v1(89.65,92.22) v1(90.18,98.08) v1(90.92,114.77) v1(102.2,131.17) v1(102.29,118.87) v1(103.3,114.12) v1(105.2,114.17) v1(106.05,131.17) v1(106.25,125.87) v1(106.7,119.52) v1(109.8,131.17) v1(110.26,118.85) v1(110.75,114.07) v1(112.85,116.17) v1(112.93,126.63) v1(112.97,119.83) v1(113.65,131.17) v1(114.19,125.23) v1(133.75,19.37) v1(135.96,12.81) v1(137.47,13.87) v1(137.71,85.07) v1(137.89,18.57) v1(138.35,22.34) v1(138.87,21.45) v1(138.9,99.62) v1(140.47,21.39) v1(141.5,19.37) v1(141.61,82.6) v1(143.38,131.18) v1(143.8,86.22) v1(144,112.95) v1(144.6,99.06) v1(146.05,94.72) v1(146.64,88.92) v1(147.41,99.71) v1(148.3,94.47) v1(148.47,97.87) v1(148.7,82.42) v1(149.65,85.37) v1(149.73,92.6) v1(149.73,80.64) v1(150.57,99.01) v1(151.15,85.62) v1(152.5,82.39) v1(153.43,94.62) v1(153.68,55.98) v1(153.98,32.07) v1(154.1,98.4) v1(154.35,87.92) v1(154.35,57.82) v1(154.29,30.22) v1(155.1,87.9) v1(155.58,97.75) v1(157.36,35.28) v1(157.45,53.07) v1(157.65,58.09) v1(157.85,29.87) v1(158.1,89.63) v1(158.21,80.77) v1(158.54,34.62) v1(158.59,30.82) v1(158.64,4.14) v1(159.1,53.67) v1(159.19,95.93) v1(159.5,91.32) v1(159.9,89.07) v1(160.2,10.57) v1(160.45,85.32) v1(160.61,91.33) v1(160.85,100.97) v1(161.95,89.17) v1(162.09,101.59) v1(162.55,98.77) v1(162.76,94.93) v1(162.92,49.89) v1(164.4,92.62) v1(164.46,82.59) v1(165.53,79.89) v1(166.5,99.06) v1(166.97,85.66) v1(167,7.01) v1(167.45,95.18) v1(167.73,98.3) v1(168.36,88.07) v1(168.9,81.17) v1(170.05,85.67) v1(170.3,99.67) v1(170.4,94.77) v1(171.49,98.3) v1(171.57,82.52) v1(172.55,85.42) v1(172.55,80.67) v1(172.75,91.97) v1(172.67,4.08) v1(173.5,99.35) v1(173.98,85.59) v1(174.74,94.18) v1(175.29,82.39) v1(176.44,99.23) v1(177.01,63.76) v1(177.05,61.16) v1(177.05,58.61) v1(177.04,40.76) v1(177,38.22) v1(177,35.67) v1(177.07,33.18) v1(177.01,30.74) v1(177.04,28.16) v1(177.04,25.61) v1(177.07,23.03) v1(177.1,94.07) v1(177.08,56.04) v1(177.08,53.53) v1(177.1,50.96) v1(177.08,48.44) v1(177.08,45.88) v1(178.46,97.82) v1(180.91,94.76) v1(181.09,80.69)
